# Altium PCB develboard_sdk.PcbDoc (part 2 of 4) (continued)
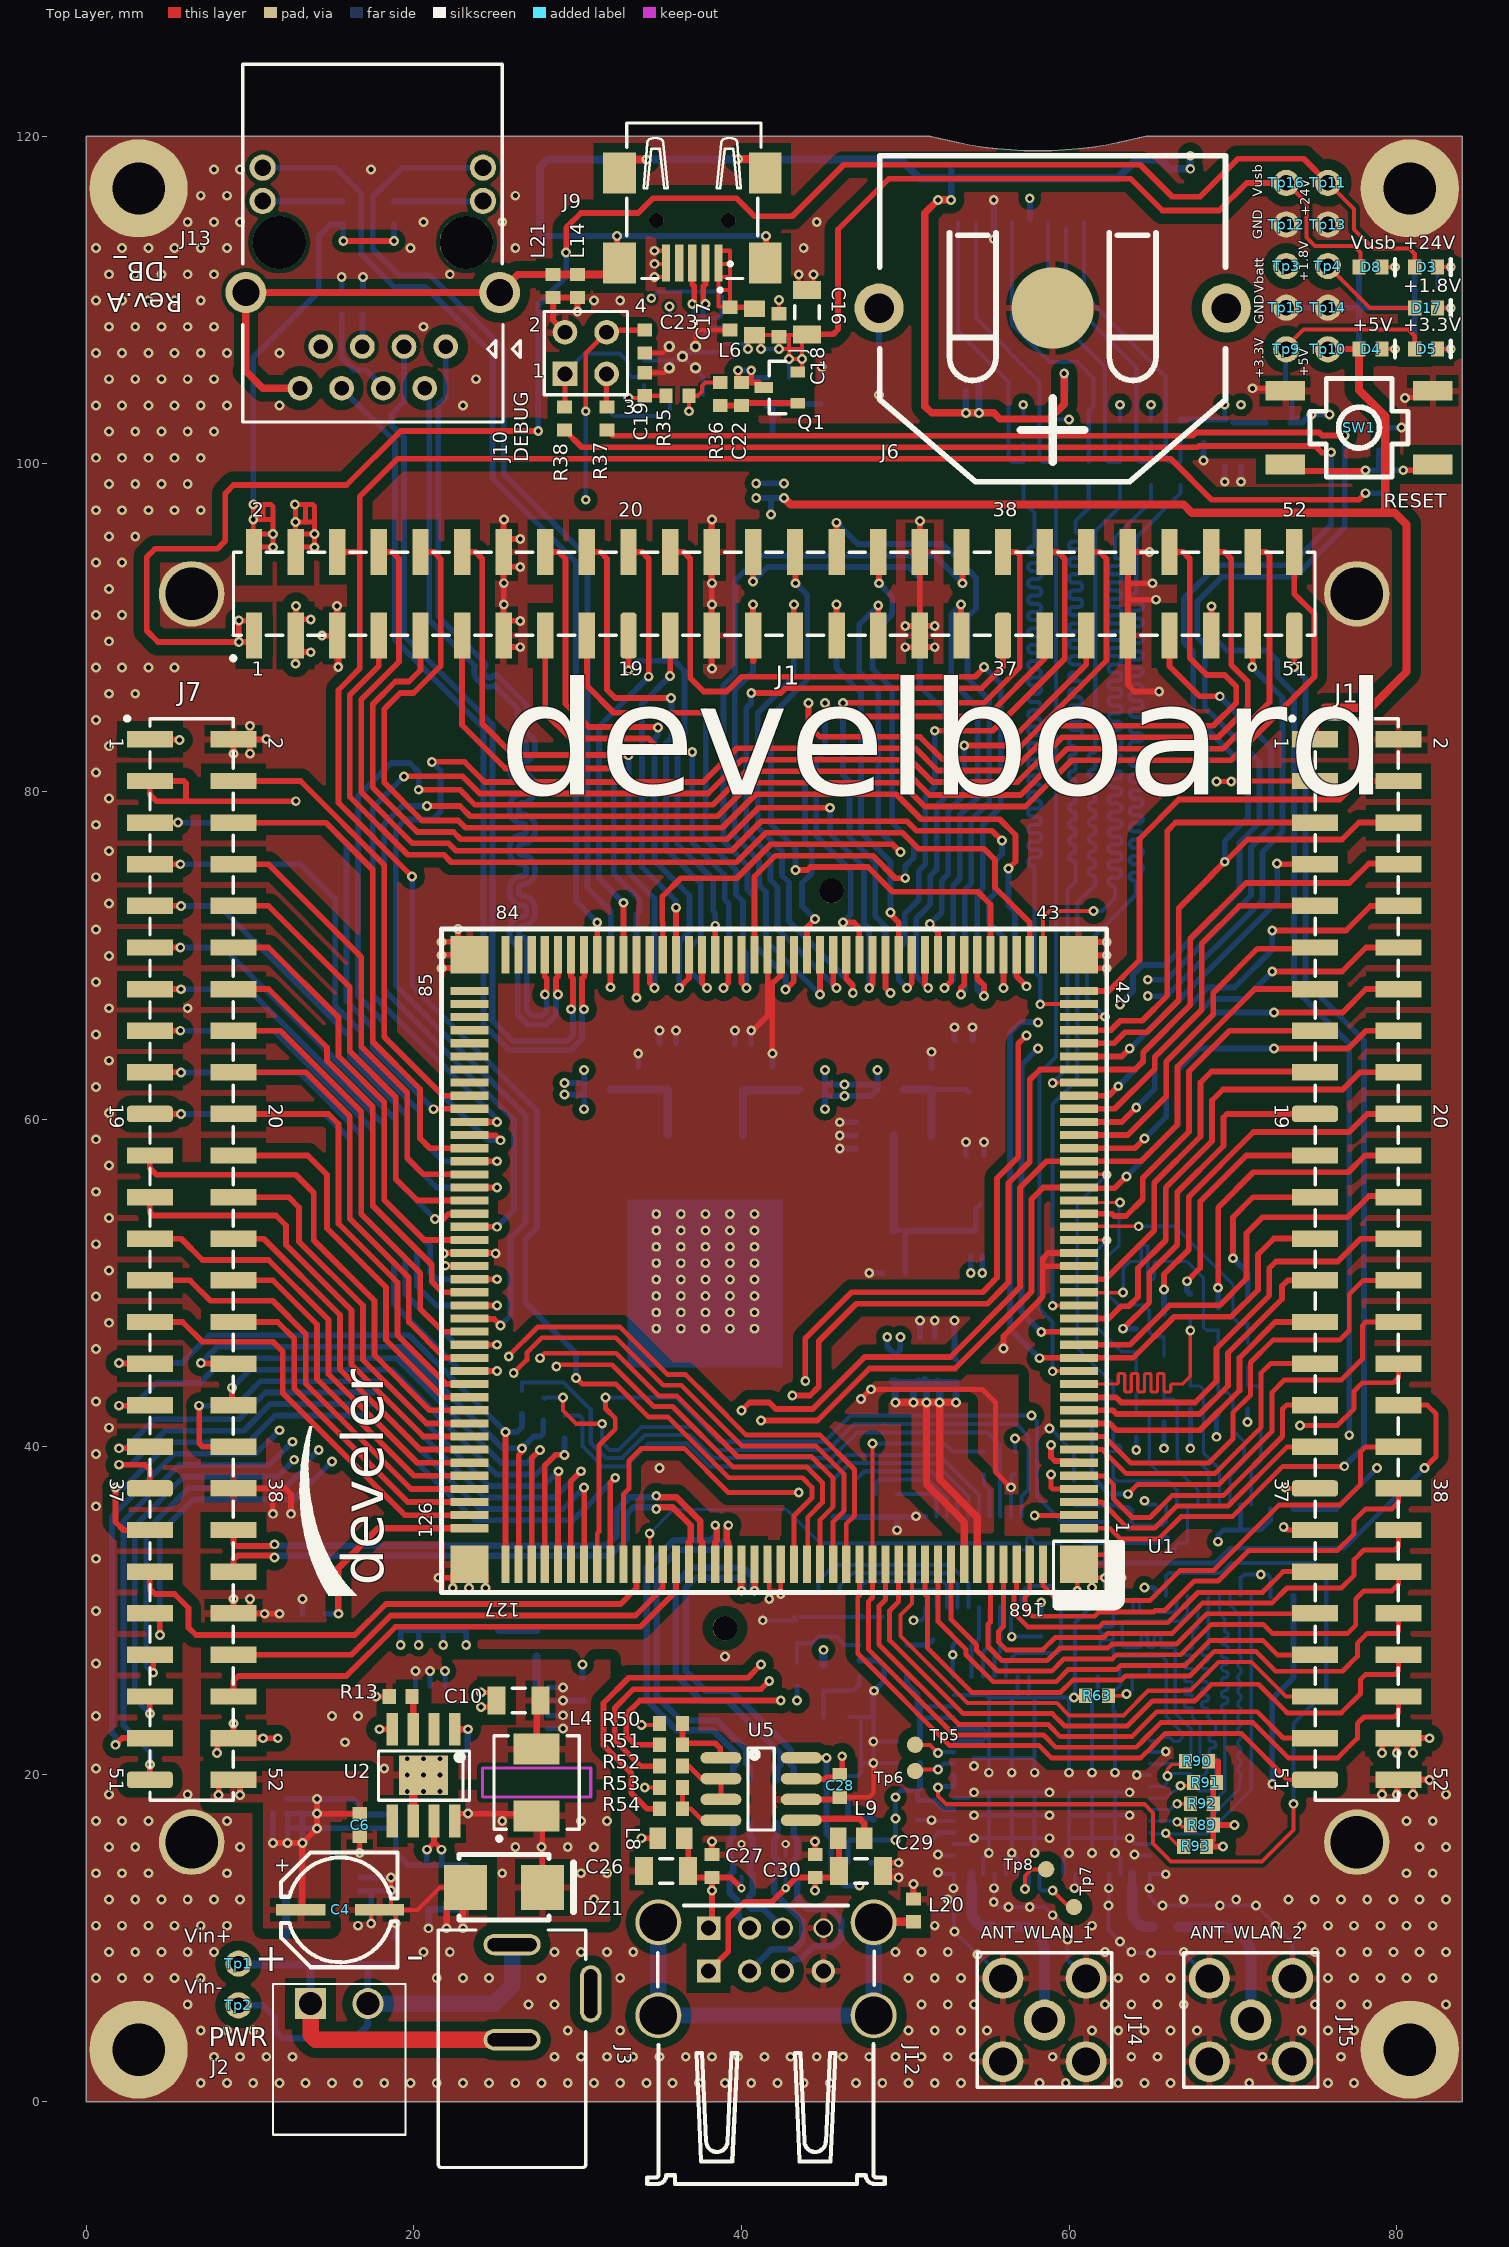
[diagram p0: Top Layer view]
## Nets (pads, with @x,y where several pads share a name; then routed paths per layer and width w, separated by ;. In a path a pad name is that pad's centre, name@x,y a point inside that pad or via, vN(x,y) a via of type N, cw(c..) or ccw(c..) an arc to the next point about the centre after c; other vN are vias at no path point) (continued)
ETHTX_P: J13.1 U1.81 | length 54.2
  Top Layer w0.35: v1(28,67.6) 28.125,67.725 28.125,68.57 28,68.695 U1.81@28,70.02
  Bottom Layer w0.35: J13.1@21.945,107.15 21.945,104.045 21.5,103.6 21.5,90.678 24.291,87.886 cw(c24.097,87.692) 24.372,87.692 cw(c24.097,87.692) 24.292,87.497 ccw(c24.451,87.338) 24.292,87.179 24.468,87.002 ccw(c24.627,87.161) 24.787,87.002 cw(c24.981,86.808) 25.176,87.002 26.059,86.118 26.9,85.278 26.9,83.55 cw(c26.625,82.825) 27.4,82.825 27.4,82.575 cw(c26.625,82.575) 26.625,81.8 ccw(c26.625,81.575) 26.4,81.575 26.4,81.325 ccw(c26.625,81.325) 26.625,81.1 cw(c26.625,80.325) 27.4,80.325 27.4,80.075 cw(c26.625,80.075) 26.625,79.3 ccw(c26.625,79.075) 26.4,79.075 26.4,78.825 ccw(c26.625,78.825) 26.625,78.6 cw(c26.625,77.825) 27.4,77.825 27.4,77.575 cw(c26.625,77.575) 26.625,76.8 ccw(c26.625,76.575) 26.4,76.575 26.4,76.325 ccw(c26.625,76.325) 26.625,76.1 cw(c26.625,75.325) 27.4,75.325 27.4,75.075 cw(c26.625,75.075) 26.625,74.3 ccw(c26.625,74.075) 26.4,74.075 26.4,73.825 ccw(c26.625,73.825) 26.625,73.6 cw(c26.625,72.825) 27.4,72.825 27.4,72.575 cw(c26.625,72.575) 26.625,71.8 ccw(c26.625,71.575) 26.4,71.575 26.4,71.325 ccw(c26.625,71.325) 26.625,71.1 cw(c26.625,70.825) 26.9,70.825 26.9,66.6 27.2,66.3 27.825,66.3 28.125,66.6 28.125,67.475 v1(28,67.6)
FTDIUSB_N: J9.2 U4.15 | length 3.5
  Top Layer w0.35: J9.2@37.8,112.25 37.8,110.95 37.675,110.825 37.675,109.875 v1(37.8,109.75)
  Bottom Layer w0.3: U4.15@37.65,108.9 37.65,109.6 v1(37.8,109.75)
FTDIUSB_P: J9.3 U4.14 | length 3.5
  Top Layer w0.35: v1(37,109.75) 37.125,109.875 37.125,110.825 37,110.95 J9.3@37,112.25
  Bottom Layer w0.3: v1(37,109.75) 37.15,109.6 U4.14@37.15,108.9
GND: C1.2 C2.2 C4.2 C5.2 C6.1 C7.2 C8.2 C10.2 C11.1 C12.2 C13.2 C14.1 C15.1 C16.2 C17.2 C18.2 C19.2 C20.1 C21.1 C23.2 C24.2 C25.2 C26.2 C27.2 C28.2 C29.2 C30.2 C31.1 C32.1 C33.2 C34.2 C35.1 C36.1 C37.1 C38.1 C39.1 C40.1 C41.1 C42.1 C43.1 C44.1 C47.1 C48.1 C49.2 C50.2 C73.1 C74.1 D2.2 DZ1.2 J1.5 J1.13 J1.14 J1.23 J1.24 J1.33 J1.34 J1.43 J1.44 J6.NEG J7.2 J7.38 J7.44 J9.5 J10.2 J11.6 J12.A4 J12.B4 J14.2 J14.3 J14.4 J14.5 J15.2 J15.3 J15.4 J15.5 J16.2 J16.52 L3.2 L14.2 L20.2 L21.2 pad.Hole R8.1 R13.1 R14.1 R15.1 R16.1 R17.1 R61.2 R63.2 R64.2 R65.2 R66.2 R67.2 R68.2 R69.2 R70.1 R71.2 R77.2 R78.1 R94.1 R150.1 SW1.3 SW1.4 Tp12.1 Tp13.1 Tp14.1 Tp15.1 U1.21 U1.22 U1.63 U1.64 U1.105 U1.106 U1.147 U1.148 U1.GND U2.6 U2.9 U3.2 U4.4 U4.17 U4.20 U4.24 U4.26 U4.GND_PAD U5.6 U6.2 U7.2 U8.11 U9.1 U9.7 U9.9 U9.15 U9.16 U9.17 U9.19 U9.20 U9.23 U9.24 U9.28 U9.29 U9.30 U9.31 U9.33 U9.34 U9.35 U9.37 U9.39 U9.44 U9.45 U9.48 U9.49 U9.54 U9.55 U9.59 U9.61 U9.63 U9.GND U10.2 U11.11 U12.2 U28.1 | length 490.2
  Top Layer w0.25: v1(16.7,15.2) C6.1@16.7,16.2 ; v1(17.4,10.9) C4.2@17.4,11.8 ; v1(17.7,24.75) R13.1@18.5,24.75 ; C4.2@17.9,11.725 C4.2@18.6,11.725 ; C4.2@18.6,11.6 C4.2@18.6,11.725 ; v1(18.6,13.7) v1(18.6,12.9) C4.2@18.6,11.725 ; v1(18.9,10.9) C4.2@18.9,11.7 ; DZ1.2@23.7,13.1 DZ1.2@23.15,13.1 21.6,13.1 20.225,11.725 C4.2@18.6,11.725 ; C19.2@34.1,105.55 35.3,105.55 U4.GND_PAD@35.6,105.85 ; C23.2@34.1,106.75 35.2,106.75 U4.GND_PAD@35.6,107.15 ; v1(34.7,111.4) 35.35,111.4 35.4,111.35 J9.5@35.4,112.15 ; v1(34.7,112.2) 35.35,112.2 J9.5@35.4,112.15 ; v1(34.7,113) 35.35,113 35.4,112.95 J9.5@35.4,112.25 J9.5@35.4,112.15 ; U4.GND_PAD@37.2,107.1 37.2,107.9 37.45,108.15 C17.2@39.3,108.15 ; U1.147@41.6,32.82 41.7,32.72 v1(41.7,30.7) ; C18.2@42.3,109.15 v1(42.3,110) ; v1(42.4,31) U1.148@42.4,32.82 ; C16.2@43.5,110.7 v1(43.5,111.55) ; C16.2@44.4,110.7 v1(44.4,111.55) ; C28.2@45.935,18.465 C28.2@46,18.4 ; C28.2@46,18.6 47.8,18.6 48.05,18.85 v1(48.05,20.7) ; v1(60.5,31.2) U1.GND@60.5,32.82 ; U1.GND@60.58,32 U1.GND@61.1,32 ; U1.GND@60.6,32.82 60.72,32.82 61.3,33.4 62.9,33.4 63.2,33.1 v1(63.2,32) ; U1.GND@61.1,32.82 U1.GND@61.1,32 ; v1(61.4,31.4) U1.GND@61.4,32 ; v1(62.2,32) U1.GND@61.4,32 ; U1.GND@61.1,32 U1.GND@61.4,32
  Top Layer w0.3: v1(24.1,24.1) C10.2@25.05,24.1 ; v1(24.1,25) C10.2@25.05,25
  Top Layer w0.35: J7.38@8.99,37.45 11.35,37.45 ; J7.2@8.99,83.27 J7.2@8.99,83.17 ; v1(9,30.7) 8.99,30.69 J7.44@8.99,29.83 J7.44@9.99,29.83 ; v1(9,82.3) 8.99,82.31 J7.2@8.99,83.17 ; J7.2@9.99,83.27 J7.2@9.99,83.17 ; v1(10,30.7) 9.99,30.69 J7.44@9.99,29.83 ; v1(10,82.3) 9.99,82.31 J7.2@9.99,83.17 ; v1(10,84) 10.01,83.99 J7.2@10.01,83.17 ; J7.2@10.01,83.03 J7.2@10.01,83.17 ; v1(11,83.2) 10.97,83.17 J7.2@10.01,83.17 ; v1(11.4,35.9) 11.4,37.4 11.35,37.45 ; v1(11.8,29.8) v1(10.9,29.8) 10.87,29.83 J7.44@9.99,29.83 ; v1(12.5,35.9) 12.5,37.1 12.15,37.45 11.35,37.45 ; v1(14.39,89.51) 14.4,89.5 J1.5@15.3,89.5 ; J1.5@15.3,90.4 15.3,91.3 v1(15.31,91.31) ; v1(15.39,87.59) 15.4,87.6 J1.5@15.4,88.5 ; v1(21.5,32) U1.GND@22.39,32 ; v1(21.7,69.2) 21.72,69.22 U1.GND@23.6,69.22 ; v1(21.7,70) 21.72,70.02 U1.GND@23.4,70.02 ; v1(21.7,70.8) 21.72,70.82 U1.GND@22.7,70.82 ; v1(21.825,51.795) 21.85,51.82 U1.105@23.4,51.82 24.98,51.82 v1(25,51.8) ; v1(21.925,51.045) 21.95,51.02 U1.106@23.4,51.02 ; v1(22.38,31.38) 22.39,31.39 U1.GND@22.39,32 ; v1(22.7,71.6) U1.GND@22.7,70.82 ; v1(23.38,31.38) 23.39,31.39 23.39,32.25 U1.GND@22.83,32.25 ; U1.GND@23.4,32.82 U1.GND@22.83,32.25 ; U1.GND@23.6,70.02 U1.GND@23.4,70.02 ; U1.GND@23.6,70.82 U1.GND@23.4,70.82 ; v1(24.38,31.38) 24.39,31.39 U1.GND@24.39,32.25 ; J1.13@25.49,89.51 J1.14@25.49,94.61 25.49,96.59 v1(25.5,96.6) ; J1.13@25.59,88.81 26.49,88.81 v1(26.5,88.8) ; J1.13@25.59,90.41 26.49,90.41 v1(26.5,90.4) ; J1.14@25.59,93.71 26.49,93.71 v1(26.5,93.7) ; J1.14@25.59,95.41 26.49,95.41 v1(26.5,95.4) ; J10.2@29.23,108.02 28.5,108.75 L21.2@28.5,110.15 L14.2@30,110.15 v1(30,109.29) ; C27.2@38.2,15.1 v1(38.2,15.9) ; v1(38.2,87.5) 38.19,87.51 J1.23@38.19,89.51 J1.24@38.19,94.61 38.19,96.59 v1(38.2,96.6) ; v1@40.7,65.4 41.6,66.3 U1.64@41.6,70.02 ; v1(41.9,64) 41.875,64.025 41.875,68.242 42.358,68.725 42.4,68.725 U1.63@42.4,70.02 ; U5.6@43.65,18.465 C28.2@45.935,18.465 ; C30.2@44.5,15.1 v1(44.5,15.9) ; C29.2@48.55,13.7 v1(49.6,13.7) ; C29.2@48.55,14.6 v1(49.6,14.6) ; v1(50,88.8) 50.01,88.79 J1.33@50.91,88.79 ; v1(50,90.1) 50.01,90.09 J1.33@50.89,90.09 ; L20.2@50.5,12.4 v1(50.5,13.3) ; J1.33@50.89,88.81 51.79,88.81 v1(51.8,88.8) ; J1.33@50.89,89.51 J1.33@50.89,90.09 ; J1.34@50.89,95.59 50.89,96.49 v1(50.9,96.5) ; J1.34@50.9,95.1 50.89,95.09 J1.34@50.89,94.61 J1.33@50.89,90.11 ; J1.33@50.91,90.09 J1.33@50.89,90.09 ; v1(51.8,90.1) 51.79,90.11 J1.33@50.89,90.11 ; v1(56,46) 56,46.74 58.175,48.915 58.175,48.942 58.4,49.167 58.4,51 ; v1(60.304,24.696) 60.996,24.696 R63.2@61.1,24.8 ; U1.21@60.6,51.02 58.42,51.02 58.4,51 ; U1.22@60.6,51.82 58.72,51.82 58.4,51.5 58.4,51 ; U1.GND@60.72,69.2 v1(62.3,69.2) ; U1.GND@60.72,70 v1(62.3,70) ; U1.GND@60.72,70.8 v1(62.3,70.8) ; v1(64.9,94.6) 64.9,94.61 J1.44@63.59,94.61 63.59,92.7 ; v1(65.1,92.7) 63.59,92.7 ; v1(65.3,91.7) 63.59,91.7 ; v1(65.5,86.1) 64,86.1 63.59,86.51 J1.43@63.59,89.51 63.59,91.7 ; v1(71.2,104.6) SW1.4@73.7,104.6 ; v1(79.1,18.76) 79.11,18.77 J16.52@79.11,19.67 ; v1(80,18.76) 80.01,18.77 J16.52@80.01,19.67 ; J16.52@80.11,19.67 J16.52@81.01,19.67 ; v1(80.5,104) 80.55,104.05 SW1.3@82.2,104.05 ; v1(81,18.76) 81.01,18.77 J16.52@81.01,19.67 ; v1(82,19.66) 81.99,19.67 J16.52@81.01,19.67 ; J7.2@8.99,83.17 J7.2@9.99,83.17 ; J7.2@9.99,83.17 J7.2@10.01,83.17 ; U1.GND@22.39,32 22.58,32 U1.GND@22.83,32.25 ; U1.GND@22.39,32 22.39,32.25 U1.GND@22.83,32.25 ; U1.GND@22.7,70.82 U1.GND@23.4,70.82 ; U1.GND@23.4,70.02 U1.GND@23.4,70.82 ; J1.33@50.89,90.09 J1.33@50.89,90.11 ; 63.59,91.7 63.59,92.7
  Top Layer w0.4: v1(22,10.6) 22,12.2 22.2,12.4 DZ1.2@23,12.4 ; v1(23,10.6) DZ1.2@23,12.4 ; DZ1.2@23,12.4 23,12.949 DZ1.2@23.15,13.1 23.15,12.551 DZ1.2@23,12.4
  Top Layer w0.5: U2.6@19.965,17 U2.6@19.965,17.15 19.965,19.165 U2.9@20.6,19.8
  Bottom Layer w0.2: U9.GND@62.7,23.7 62.7,25.019 63.15,25.469 U9.63@63.15,25.975 ; U9.63@63.1,25.9 63.1,26.5 63.3,26.7 64.7,26.7 64.9,26.5 64.9,26 U9.1@64.925,25.975
  Bottom Layer w0.25: U4.4@34.05,106.3 36.15,106.3 U4.GND_PAD@36.4,106.55 ; U4.26@37.65,104.2 37.65,105.3 U4.GND_PAD@36.4,106.55 ; U4.20@38.75,106.8 U4.GND_PAD@36.65,106.8 ; U4.17@38.75,108.3 38.15,108.3 U4.GND_PAD@36.65,106.8 ; U6.2@40,15.05 v2(40,15.75) ; v1(41.3,29.4) R70.1@43.4,29.4 R70.1@43.2,29.6 ; U7.2@42.7,15.05 v2(42.7,15.75) ; R70.1@43.6,29.6 R61.2@44.7,29.6 R65.2@46,29.6 R67.2@47.3,29.6 ; R94.1@46.55,19.9 47.1,19.9 47.3,20.1 47.3,20.7 ; C41.1@46.6,23.5 47.3,23.5 ; R67.2@47.3,29.7 R67.2@47.3,29.6 ; C42.1@48.05,19 v1(48.05,20.7) ; v1@48.1,22 C39.1@49.5,22 ; R69.2@48.6,29.6 R67.2@47.3,29.6 ; C43.1@49.5,20.7 v1(48.05,20.7) ; v1(50.65,35.75) U8.11@51.25,35.75 ; U12.2@50.725,17.2 v1(51.6,17.2) 51.65,17.15 U9.37@52.975,17.15 ; v1(52,14) 52.075,13.925 U9.33@52.975,13.925 52.975,10.425 v1(53,10.4) v1(54.4,9) 54.5,9 J14.5@55.96,7.54 ; v1(52,15.1) 52.05,15.05 U9.34@52.975,15.05 ; U9.35@52.975,15.75 53.85,15.75 v1(54.2,16.1) U9.GND@55.1,16.1 ; U9.39@52.975,18.55 53.85,18.55 v1(54.2,18.9) U9.GND@55.1,18.9 ; U9.44@52.975,22.05 54.75,22.05 U9.GND@55.1,22.4 ; U9.45@52.975,22.75 54.75,22.75 U9.GND@55.1,22.4 ; U9.48@52.975,24.85 54.946,24.85 55.1,24.696 ; U9.49@52.975,25.975 52.9,26.05 v1(52.9,27.3) 52.9,27.9 R77.2@53.1,28.1 ; v1(54.2,17.5) U9.GND@55.1,17.5 ; v1(54.2,20.5) 54.2,21 U9.GND@55.1,21 ; U9.31@54.75,13.925 54.75,14.85 v1(55.1,15.2) U9.GND@55.1,16.1 ; v1(55.1,20.1) U9.GND@55.1,21 ; v1(55.425,13.05) 55.425,12.225 v1(55.4,12.2) 55.7,11.9 v1(56.3,11.9) v1(57.6,11.9) 58.5,11.9 v1(59,11.4) 59.9,10.5 v1(59.9,9.9) 59.9,8.68 J14.4@61.04,7.54 ; v1@55.45,13.075 U9.30@55.45,13.925 ; U9.29@56.15,13.925 56.15,14.85 v1(56.5,15.2) ; v1(56.5,20.1) U9.GND@56.5,21 ; C36.1@56.7,39.7 v1(56.7,40.5) ; 56.8,24.7 56.85,24.75 U9.54@56.85,25.975 ; U9.28@56.85,13.925 56.85,14.85 v1(56.5,15.2) ; U9.55@57.55,25.975 57.55,24.746 57.6,24.696 ; v1(57.9,15.2) U9.GND@57.9,16.1 ; v1(57.9,20.1) U9.GND@57.9,21 ; C35.1@58.3,29.8 v1(58.3,30.5) ; v1(58.8,16.1) U9.GND@57.9,16.1 ; v1(58.8,17.5) U9.GND@57.9,17.5 ; v1(58.8,18.9) U9.GND@57.9,18.9 ; v1(58.8,41.1) 58.855,41.1 60.3,39.655 R78.1@60.3,37.9 ; U9.24@59.65,13.925 59.65,14.85 v1(60,15.2) U9.GND@60,16.1 ; v1(60,20.1) U9.GND@60,21 U9.GND@60,22.4 U9.GND@60,23.8 60,24.696 ; v1(60.325,13.05) 60.35,13.075 U9.23@60.35,13.925 ; v1(61.4,15.2) U9.GND@61.4,16.1 ; v1(61.4,20.1) U9.GND@61.4,21 U9.GND@61.4,22.4 U9.GND@61.4,23.8 61.4,24.696 v1(60.304,24.696) ; 61.4,24.7 61.75,25.05 U9.61@61.75,25.975 ; v1(61.4,31.4) 61.4,30.3 60.35,29.25 U9.59@60.35,25.975 60.35,24.742 v1(60.304,24.696) ; U9.20@62.45,13.925 62.45,13.075 v1(62.425,13.05) 62.425,12.025 v1(62.4,12) 62.4,10.5 v1(63.1,9.8) 63.8,9.1 v1(65,9.1) 67,9.1 J15.5@68.56,7.54 ; v1(62.8,20.1) U9.GND@62.8,21 U9.GND@62.8,22.4 U9.GND@62.8,23.8 ; U9.19@63.15,13.925 63.15,14.85 v1(62.8,15.2) U9.GND@62.8,16.1 ; v1(63.7,17.5) U9.GND@62.8,17.5 ; v1(63.7,18.9) U9.GND@62.8,18.9 ; v1(64,15.1) 64.05,15.05 U9.16@64.925,15.05 ; v1(64.131,19.95) U9.9@64.925,19.95 ; v1(64.6,36.7) 64.825,36.475 U11.11@65.275,36.475 ; U9.15@64.925,15.75 64.05,15.75 v1(63.7,16.1) U9.GND@62.8,16.1 ; U9.7@64.925,21.35 65.85,21.35 v1(65.9,21.4) ; v1(65.9,13.9) 65.875,13.925 U9.17@64.925,13.925 64.925,13.075 v1(64.9,13.05) 64.9,12.5 65.4,12 v1(65.7,12) v1(69.2,12) v1(71.4,12) 73.64,9.76 J15.4@73.64,7.54 ; U4.GND_PAD@36.4,106.55 U4.GND_PAD@36.65,106.8 ; 47.3,20.7 v1(48.05,20.7) ; 47.3,20.7 47.3,23.5 ; 47.3,23.5 47.85,23.5 C40.1@48.05,23.7 v1(48.05,22) v1(48.05,20.7) ; U9.GND@55.1,16.1 U9.GND@56.5,16.1 ; U9.GND@55.1,16.1 U9.GND@55.1,17.5 ; U9.GND@55.1,17.5 U9.GND@56.5,17.5 ; U9.GND@55.1,17.5 U9.GND@55.1,18.9 ; U9.GND@55.1,18.9 U9.GND@56.5,18.9 ; U9.GND@55.1,21 U9.GND@56.5,21 ; U9.GND@55.1,21 U9.GND@55.1,22.4 ; U9.GND@55.1,22.4 U9.GND@55.1,23.8 55.1,24.696 ; 55.1,24.696 56.6,24.696 ; v1(56.5,15.2) U9.GND@56.5,16.1 ; U9.GND@56.5,16.1 U9.GND@57.9,16.1 ; U9.GND@56.5,16.1 U9.GND@56.5,17.5 ; U9.GND@56.5,17.5 U9.GND@57.9,17.5 ; U9.GND@56.5,17.5 U9.GND@56.5,18.9 ; U9.GND@56.5,18.9 U9.GND@57.9,18.9 ; U9.GND@56.5,21 U9.GND@57.9,21 ; U9.GND@56.5,21 U9.GND@56.5,22.4 U9.GND@56.5,23.8 56.5,24.596 56.6,24.696 ; 56.6,24.696 57.6,24.696 ; 57.6,24.696 57.9,24.696 ; U9.GND@57.9,16.1 U9.GND@57.9,17.5 ; U9.GND@57.9,17.5 U9.GND@57.9,18.9 ; U9.GND@57.9,21 U9.GND@57.9,22.4 U9.GND@57.9,23.8 57.9,24.696 ; 57.9,24.696 60,24.696 ; U9.GND@60,16.1 U9.GND@60,17.5 ; U9.GND@60,16.1 U9.GND@61.4,16.1 ; U9.GND@60,17.5 U9.GND@60,18.9 U9.GND@61.4,18.9 ; U9.GND@60,17.5 U9.GND@61.4,17.5 ; 60,24.696 v1(60.304,24.696) ; U9.GND@61.4,16.1 U9.GND@61.4,17.5 ; U9.GND@61.4,16.1 U9.GND@62.8,16.1 ; U9.GND@61.4,17.5 U9.GND@61.4,18.9 ; U9.GND@61.4,17.5 U9.GND@62.8,17.5 ; U9.GND@61.4,18.9 U9.GND@62.8,18.9 ; U9.GND@62.8,16.1 U9.GND@62.8,17.5 ; U9.GND@62.8,17.5 U9.GND@62.8,18.9
  Bottom Layer w0.3: C5.2@20.1,25.35 v1(20.1,26.3) ; C5.2@21,25.35 v1(21,26.3) ; C5.2@21.9,25.35 v1(21.9,26.3)
  Bottom Layer w0.35: C47.1@13.2,29.8 v1(13.2,30.7) ; C33.2@15.6,110.5 v1(15.6,111.4) ; D2.2@16.7,12.851 16.749,12.9 v1(18.6,12.9) ; D2.2@16.749,13.7 v1(18.6,13.7) ; C34.2@16.9,110.5 v1(16.9,111.4) ; v1(17.4,10.9) D2.2@17.4,12.751 ; C11.1@30.3,25.9 v1(30.3,26.7) ; C14.1@33.7,63.2 v1(33.7,64) ; C12.2@35,64.6 v1(35,65.4) ; C12.2@36,64.6 v1(36,65.4) ; C31.1@38.2,15.1 v1(38.2,15.9) ; C13.2@39.6,64.6 v1(39.6,65.4) ; C13.2@40.6,64.6 v1(40.6,65.4) ; C15.1@41.9,63.2 v1(41.9,64) ; C32.1@44.5,15.1 v1(44.5,15.9) ; C21.1@44.9,105.1 v1(44.9,105.9) ; R64.2@45.6,35.7 R66.2@46.9,35.7 R68.2@48.2,35.7 R71.2@49.5,35.7 ; v1(46,58.2) U28.1@47,58.2 ; v1(46,59) U28.1@47,59 ; v1(46,59.8) U28.1@47,59.8 ; U10.2@47.2,26.95 48.35,26.95 48.7,26.6 48.7,25.7 v1(48.1,25.1) 48.05,25.05 C40.1@48.05,23.7 ; v1(47.8,50.6) C74.1@48.6,50.6 ; C44.1@47.9,14.6 v1(49.6,14.6) ; v1(48.4,104.2) C48.1@48.4,105.4 ; v1(49.5,34.9) R71.2@49.5,35.7 ; v1(50.65,35.75) 50.6,35.7 R71.2@49.5,35.7 ; C1.2@50.9,46.675 v1(50.9,47.7) ; C73.1@51.6,63.1 v1(51.6,64.1) ; C1.2@51.8,46.675 v1(51.8,47.7) ; v1(53,47.7) 53,45.4 C2.2@53.1,45.3 ; C49.2@53,64.8 v1(53,65.6) ; C50.2@53.7,57.8 v1(53.7,58.6) ; C49.2@54.1,64.8 v1(54.1,65.6) ; C50.2@54.8,57.8 v1(54.8,58.6) ; v1(55.4,113.7) 55.415,113.715 J11.6@55.415,114.925 55.415,116.085 v1(55.4,116.1) ; v1(68.2,100.2) C25.2@68.2,101.3 ; v1(69.5,98.9) C24.2@69.5,99.85 ; v1(70.5,98.9) C24.2@70.5,99.85 ; v1(72.4,19.4) 72.4,24.6 73.7,25.9 C38.1@73.7,30.9 ; Tp15.1@73.26,109.52 Tp14.1@75.8,109.52 77.7,109.52 ; C37.1@73.7,36.2 76.3,36.2 v1(78.8,38.7) ; R16.1@77.7,107 77.7,109.52 ; R8.1@77.7,112 77.7,109.52 ; C20.1@78.9,102.2 v1(80.3,102.2) ; R17.1@81.1,107 R150.1@81.1,109.5 ; R15.1@81.1,110.8 R14.1@81.1,112 R150.1@81.1,109.5 ; 77.7,109.52 81.08,109.52 R150.1@81.1,109.5
  Bottom Layer w0.4: L3.2@18.9,10 v1(18.9,10.9) ; v1(20.9,10.6) C8.2@20.9,11.5 ; C8.2@20.9,11.75 C8.2@20.9,11.5 ; v1(22,10.6) 22,11.5 ; v1(23,10.6) C7.2@23,11.5 ; C7.2@23.2,11.75 21.15,11.75 C8.2@20.9,11.5
  other v1: 6.999,1.159 8.599,1.159 10.199,1.159 11.799,1.159 13.399,1.159 14.999,1.159 16.599,1.159 18.199,1.159 19.799,1.159 21.399,1.159 22.999,1.159 24.599,1.159 26.199,1.159 27.799,1.159 29.399,1.159 30.999,1.159 32.599,1.159 34.199,1.159 35.799,1.159 37.399,1.159 38.999,1.159 40.599,1.159 42.199,1.159 43.799,1.159 45.399,1.159 46.999,1.159 48.599,1.159 50.199,1.159 51.799,1.159 53.399,1.159 58.199,1.159 59.799,1.159 62.999,1.159 64.599,1.159 66.199,1.159 70.999,1.159 75.799,1.159 77.399,1.159 7.799,2.759 9.399,2.759 10.999,2.759 12.599,2.759 28.599,2.759 30.199,2.759 31.799,2.759 33.399,2.759 34.999,2.759 36.599,2.759 38.199,2.759 39.799,2.759 41.399,2.759 42.999,2.759 44.599,2.759 46.199,2.759 47.799,2.759 49.399,2.759 50.999,2.759 52.599,2.759 54.199,2.759 58.999,2.759 63.799,2.759 65.399,2.759 71.799,2.759 76.599,2.759 6.999,4.359 8.599,4.359 10.199,4.359 29.399,4.359 32.599,4.359 50.199,4.359 51.799,4.359 53.399,4.359 54.999,4.359 61.399,4.359 62.999,4.359 64.599,4.359 66.199,4.359 67.799,4.359 74.199,4.359 75.799,4.359 77.399,4.359 6.199,5.959 26.999,5.959 28.599,5.959 50.999,5.959 52.599,5.959 54.199,5.959 62.199,5.959 63.799,5.959 65.399,5.959 66.999,5.959 74.999,5.959 76.599,5.959 78.199,5.959 82.999,5.959 0.599,7.559 2.199,7.559 3.799,7.559 5.399,7.559 6.999,7.559 21.399,7.559 22.999,7.559 24.599,7.559 27.799,7.559 32.599,7.559 50.199,7.559 51.799,7.559 53.399,7.559 62.999,7.559 64.599,7.559 66.199,7.559 75.799,7.559 77.399,7.559 78.999,7.559 80.599,7.559 82.199,7.559 1.399,9.159 2.999,9.159 4.599,9.159 6.199,9.159 7.799,9.159 20.599,9.159 22.199,9.159 28.599,9.159 30.199,9.159 31.799,9.159 33.399,9.159 49.399,9.159 50.999,9.159 52.599,9.159 62.199,9.159 63.799,9.159 66.999,9.159 74.999,9.159 76.599,9.159 78.199,9.159 79.799,9.159 81.399,9.159 82.999,9.159 0.599,10.759 2.199,10.759 3.799,10.759 5.399,10.759 6.999,10.759 8.599,10.759 16.599,10.759 51.799,10.759 61.399,10.759 72.599,10.759 74.199,10.759 75.799,10.759 77.399,10.759 78.999,10.759 80.599,10.759 82.199,10.759 1.399,12.359 2.999,12.359 4.599,12.359 6.199,12.359 7.799,12.359 9.399,12.359 52.599,12.359 66.999,12.359 70.199,12.359 73.399,12.359 74.999,12.359 76.599,12.359 78.199,12.359 79.799,12.359 81.399,12.359 82.999,12.359 52.95,13.05 0.599,13.959 2.199,13.959 3.799,13.959 8.599,13.959 80.599,13.959 82.199,13.959 1.399,15.559 2.999,15.559 9.399,15.559 81.399,15.559 82.999,15.559 0.599,17.159 2.199,17.159 3.799,17.159 8.599,17.159 80.599,17.159 82.199,17.159 1.399,18.759 6.199,18.759 82.999,18.759 0.599,20.359 18.199,20.359 15.799,21.959 0.599,23.559 14.999,23.559 16.599,23.559 0.599,26.759 39,27.2 0.599,29.959 0.599,33.159 0.599,36.359 35,38.7 0.599,39.559 1.399,41.159 0.599,42.759 0.599,45.959 1.399,47.559 0.599,49.159 1.399,50.759 0.599,52.359 1.399,53.959 0.599,55.559 1.399,57.159 0.599,58.759 1.399,60.359 0.599,61.959 1.399,63.559 0.599,65.159 1.399,66.759 6.199,66.759 0.599,68.359 1.399,69.959 0.599,71.559 1.399,73.159 0.599,74.759 1.399,76.359 0.599,77.959 1.399,79.559 0.599,81.159 1.399,82.759 0.599,84.359 1.399,85.959 2.999,85.959 0.599,87.559 2.199,87.559 3.799,87.559 5.399,87.559 1.399,89.159 0.599,90.759 2.199,90.759 25.495,91.405 38.195,91.405 1.399,92.359 25.495,92.705 38.195,92.705 0.599,93.959 2.199,93.959 1.399,95.559 2.999,95.559 0.599,97.159 2.199,97.159 3.799,97.159 5.399,97.159 6.999,97.159 1.399,98.759 2.999,98.759 4.599,98.759 6.199,98.759 0.599,100.359 2.199,100.359 3.799,100.359 5.399,100.359 6.999,100.359 1.399,101.959 2.999,101.959 4.599,101.959 6.199,101.959 7.799,101.959 0.599,103.559 2.199,103.559 3.799,103.559 5.399,103.559 6.999,103.559 8.599,103.559 11.799,103.559 22.999,103.559 1.399,105.159 2.999,105.159 4.599,105.159 6.199,105.159 7.799,105.159 23.799,105.159 0.599,106.759 2.199,106.759 3.799,106.759 5.399,106.759 6.999,106.759 8.599,106.759 11.799,106.759 1.399,108.359 2.999,108.359 4.599,108.359 6.199,108.359 7.799,108.359 20.599,108.359 0.599,109.959 2.199,109.959 3.799,109.959 5.399,109.959 6.999,109.959 30.999,109.959 32.599,109.959 1.399,111.559 2.999,111.559 4.599,111.559 6.199,111.559 7.799,111.559 22.199,111.559 0.599,113.159 2.199,113.159 3.799,113.159 5.399,113.159 6.999,113.159 8.599,113.159 19.799,113.159 26.199,113.159 43.799,113.159 6.199,114.759 7.799,114.759 9.399,114.759 20.599,114.759 25.399,114.759 44.599,114.759 6.999,116.359 8.599,116.359 26.199,116.359 7.799,117.959 9.399,117.959 17.399,117.959
IRQ: R93.2 U9.14 U11.1 | length 20.9
  Top Layer w0.2: v1(65.9,16.4) 66.7,15.6 R93.2@67,15.6 ; R93.2@66.9,15.4 67,15.4 R93.2@67.1,15.4
  Bottom Layer w0.2: U9.14@64.925,16.45 65.025,16.35 65.9,16.35 68.406,16.35 71.125,19.069 U11.1@71.125,30.925
JTAGSEL_V2: J7.36 U1.131 | length 35.8
  Top Layer w0.35: v1(6.9,42.5) 6.9,40.2 7.11,39.99 J7.36@8.99,39.99 ; U1.131@28.8,32.82 28.8,38.5 v1(28.825,38.5)
  Bottom Layer w0.35: v1(6.9,42.5) 9.163,42.5 10.664,44 18.2,44 24.6,37.6 27.925,37.6 v1(28.825,38.5)
NetC1_1: C1.1 C2.1 L1.2 U1.162 U1.163 | length 35.8
  Top Layer w0.45: v1(49.4,42.7) v1(50.5,42.7) v1(51.3,42.7) ; v1(53.1,42.7) v1(52.1,42.7) ; U1.162@53.6,32.82 53.6,35.4 51.3,37.7 v1(51.3,42.7) ; U1.163@54.4,32.82 54.4,35.7 52.1,38 v1(52.1,42.7) ; v1(51.3,42.7) v1(52.1,42.7)
  Bottom Layer w0.45: L1.2@49.2,44 49.3,43.9 L1.2@49.4,43.9 ; v1(49.4,42.7) L1.2@49.4,43.9 ; L1.2@49.4,44 L1.2@49.4,43.9 ; v1(50.5,42.7) 50.5,43.7 C1.1@50.7,43.9 ; C1.1@50.8,44 C1.1@50.7,43.9 ; C1.1@51.2,44.1 51.3,44 C1.1@51.3,43.9 ; v1(51.3,42.7) C1.1@51.3,43.9 ; C1.1@52,44 C1.1@52.1,43.9 ; v1(52.1,42.7) C1.1@52.1,43.9 ; v1(53.1,42.7) C2.1@53.1,43.7 ; C2.1@53.1,43.9 C1.1@52.1,43.9 ; L1.2@49.4,43.9 C1.1@50.7,43.9 ; C1.1@50.7,43.9 C1.1@51.3,43.9 ; C1.1@51.3,43.9 C1.1@52.1,43.9
NetC5_1: C5.1 C10.1 C11.2 L4.2 L17.2 U2.4 | length 25.9
  Top Layer w0.35: v1(17.9,22.75) U2.4@18.695,22.75
  Top Layer w0.4: L4.2@27.5,21.55 27.5,24.25 C10.1@27.75,24.5
  Inner w0.4: v1(17.9,22.75) 21.7,22.75 22.9,23.95 22.9,25.2 23.55,25.85 28.55,25.85 v1(29.1,25.3)
  Bottom Layer w0.3: C5.1@28.15,22.8 v1(29.1,22.8) ; C5.1@28.15,23.6 v1(29.1,23.6) ; C5.1@28.15,24.5 v1(29.1,24.5) ; C5.1@28.15,25.3 v1(29.1,25.3)
  Bottom Layer w0.35: C5.1@27.4,23.8 C5.1@27.5,23.9 ; v1(29.1,24.5) C11.2@30.3,24.5 C11.2@30.45,24.5
  Bottom Layer w0.5: C5.1@27.5,23.9 L17.2@27.5,27.2
NetC9_1: C9.1 U2.1 | length 3.2
  Top Layer w0.4: U2.1@22.505,22.75 v1(23.3,22.75)
  Bottom Layer w0.4: C9.1@23.3,20.35 v1(23.3,22.75)
NetC12_1: C12.1 C14.2 L5.2 U3.1 | length 6.2
  Bottom Layer w0.5: L5.2@32,61.8 35.45,61.8 C12.1@35.5,61.75 U3.1@35.5,59.025
NetC13_1: C13.1 C15.2 L15.2 U3.3 | length 6.1
  Bottom Layer w0.5: U3.3@40.1,59.025 C13.1@40.1,61.75 43.45,61.75 L15.2@43.5,61.8
NetC17_1: C17.1 J9.1 L6.2 | length 11.9
  Top Layer w0.25: C17.1@39.3,109.55 39.3,110.5 ; C17.1@39.3,109.6 38.6,109.6 38.6,110.6 ; 38.6,110.6 39.2,110.6 39.3,110.5 ; 38.6,110.6 J9.1@38.6,111.35 ; J9.1@38.6,111.35 J9.1@38.6,112.15 ; J9.1@38.6,111.35 38.65,111.4 39.3,111.4 ; J9.1@38.6,112.15 38.65,112.2 39.3,112.2 ; J9.1@38.6,112.15 J9.1@38.6,112.25 38.6,112.95 38.65,113 39.3,113 39.3,112.2 ; 39.3,110.5 39.3,111.4 ; 39.3,111.4 39.3,112.2
  Top Layer w0.35: C17.1@39.3,109.55 40.7,109.55 L6.2@40.8,109.45
NetC20_2: C20.2 R33.1 SW1.1 SW1.2 | length 10.2
  Top Layer w0.35: SW1.2@73.2,99.55 78.05,99.55 v1(78.1,99.6) ; v1(80.4,99.6) 82.15,99.6 SW1.1@82.2,99.55
  Bottom Layer w0.35: v1(78.1,99.6) v1(80.4,99.6) ; R33.1@78.9,99.6 C20.2@78.9,100.8
NetC21_2: C21.2 D7.2 L18.1 L19.1 | length 5.6
  Bottom Layer w0.25: L19.1@41.5,103.5 L19.1@41.625,103.625 ; L19.1@41.6,103.65 L19.1@41.625,103.625 ; L19.1@41.65,103.65 L19.1@41.625,103.625 ; L19.1@41.9,103.35 L19.1@41.625,103.625 ; C21.2@44.85,103.65 C21.2@44.9,103.7
  Bottom Layer w0.35: L19.1@41.65,103.65 L18.1@43.3,103.65 C21.2@44.85,103.65 ; D7.2@41.9,101.7 L19.1@41.9,103.35
NetC22_1: C22.1 Q1.1 R36.1 | length 4.8
  Top Layer w0.35: R36.1@38.7,103.55 39.95,103.55 40.1,103.7 Q1.1@43.438,103.7
NetC22_2: C22.2 L19.2 Q1.3 | length 5.4
  Top Layer w0.35: v1(39.8,105.7) 39.8,104.95 C22.2@40,104.95 40.6,104.95 ; v1(40.6,105.7) 40.6,104.95 ; Q1.3@41.363,104.65 41.062,104.95 40.6,104.95
  Bottom Layer w0.35: v1(39.8,105.7) v1(40.6,105.7) 40.6,105.25 L19.2@41.6,105.25
NetC33_1: C33.1 J13.4 | length 6
  Bottom Layer w0.35: C33.1@15.6,109.1 15.6,106.5 16.4,105.7 17.1,105.7 18.135,104.665 J13.4@18.135,104.61
NetC34_1: C34.1 J13.5 | length 2
  Bottom Layer w0.35: J13.5@16.865,107.15 16.865,109.065 C34.1@16.9,109.1
NetC39_2: C39.2 C40.2 U9.46 U9.47 U10.5 | length 9.3
  Bottom Layer w0.25: C40.2@51,23.45 U9.46@52.975,23.45 ; C40.2@51.05,24.15 U9.47@52.975,24.15
  Bottom Layer w0.35: U10.5@50.1,26 50.1,25.55 50.75,24.9 C40.2@50.75,23.7 C40.2@50.9,23.55 ; C39.2@50.9,22 C40.2@50.9,23.55 ; C40.2@51,23.45 C40.2@50.9,23.55 ; C40.2@51.05,24.15 50.9,24.3 C40.2@50.9,23.55
NetC41_2: C41.2 L13.1 U10.1 | length 4.5
  Bottom Layer w0.3: C41.2@45,23.5 L13.1@45,25.1 46.8,25.1 47.2,25.5 U10.1@47.2,26
NetC45_1: C45.1 U9.32 | length 4.1
  Bottom Layer w0.5: 54.05,13.15 U9.32@54.05,13.925
  Bottom Layer w0.65: 54.05,13.15 54.05,11.745 ccw(c55.245,11.745) 54.4,10.9 ccw(c54.883,11.383) 54.883,10.7 C45.1@55.3,10.7
NetC45_2: C45.2 J14.1 | length 6.8
  Bottom Layer w0.65: C45.2@56.7,10.7 57.034,10.7 cw(c57.034,9.334) 58,10.3 cw(c56.793,9.093) 58.5,9.093 J14.1@58.5,5
NetC46_1: C46.1 U9.18 | length 5.4
  Bottom Layer w0.5: 63.85,13.15 U9.18@63.85,13.925
  Bottom Layer w0.65: 63.85,11.8 63.85,13.15 63.85,11.745 ccw(c65.045,11.745) 64.2,10.9 ccw(c64.683,11.383) 64.683,10.7 C46.1@65.1,10.7